# Altium PCB BW1098OAK.PcbDoc (part 2 of 3)
Units mm, origin at the board's own origin, x right, y up, seen from the top; angles counter-clockwise.
Board outline 100 x 46 mm, 4 copper layers (Top Copper, Signal Layer 1, Layer 1, Bottom Layer), stack 1.602 mm thick; 158 components, 124 nets, 594 pads, 384 vias.
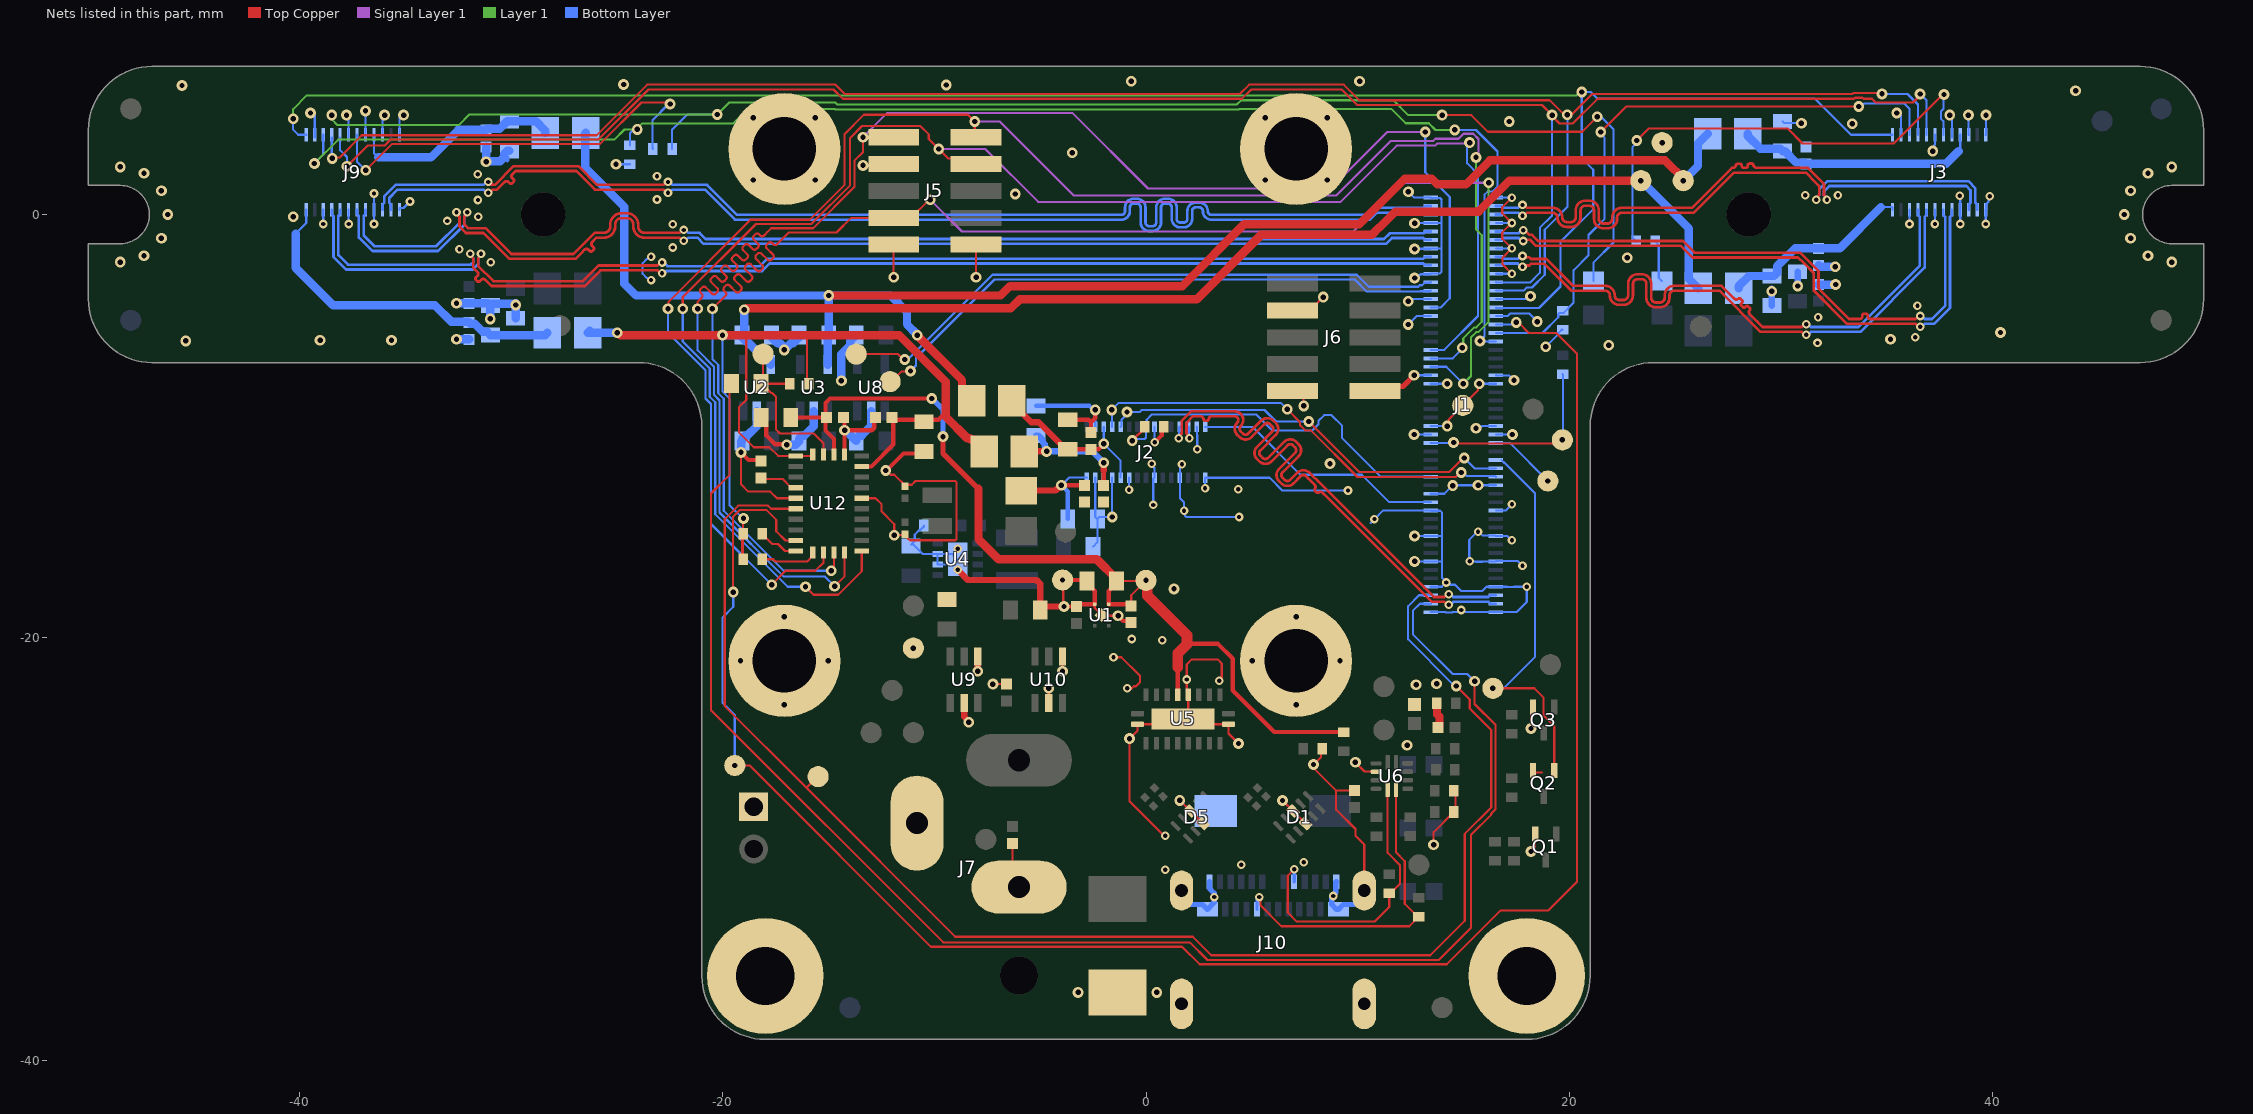
[diagram p4: the nets of this part, all layers, seen from the top]

## Via types
v1: diameter 0.508, hole 0.254, Top Copper to Bottom Layer, tented both sides, 235 vias
v2: diameter 0.406, hole 0.203, Top Copper to Bottom Layer, tented both sides, 131 vias
v3: diameter 0.508, hole 0.254, Top Copper to Bottom Layer, 16 vias
v4: diameter 0.406, hole 0.203, Top Copper to Bottom Layer, 2 vias

## Nets (pads, with @x,y where several pads share a name; then routed paths per layer and width w, separated by ;. In a path a pad name is that pad's centre, name@x,y a point inside that pad or via, vN(x,y) a via of type N, cw(c..) or ccw(c..) an arc to the next point about the centre after c; other vN are vias at no path point) (continued)
1V05_IMX378: C1.2 C2.2 FB3.2 J2.15 | length 6.2
  Top Copper w0.203: v1(-4,-12.8) C1.2@-2.9,-12.8
  Top Copper w0.3: FB3.2@-5.9,-13.05 -4.28,-13.05 -4.03,-12.8 v1(-4,-12.8)
  Bottom Layer w0.102: v1(-4,-12.8) -3.638,-12.438 J2.15@-2.8,-12.438
  Bottom Layer w0.203: v1@-3.938,-12.862 -3.7,-13.1 C2.2@-3.7,-14.4
  Bottom Layer w0.254: v1(-4,-12.8) v1@-3.876,-12.8
1V8: C18.2 C43.2 C44.2 FB2.1 FB5.1 FB8.1 R5.1 R6.1 R35.2 TP11.1 U2.5 U12.5 U12.6 U12.28 | length 107
  Top Copper w0.102: v1@-20.022,-5.718 v1(-20.022,-5.7) ; R5.1@-19.1,-15.1 -19.1,-16.3 -19.049,-16.249 -19.049,-14.388 v1(-19.029,-14.368) ; -19.05,-5.7 -18.9,-5.85 -18.9,-8.767 -19.25,-9.117 -19.25,-10.3 -18.55,-11 -17.807,-11 -17.395,-11.412 U12.6@-16.562,-11.412 -15.812,-11.412 U12.5@-15.75,-11.35 ; -16.134,-5.7 -16.03,-5.803 -16.03,-7.87 R35.2@-15.9,-8
  Top Copper w0.2: U12.28@-13.437,-11.912 -12.986,-11.912 -11.95,-10.876 -11.95,-9.6 -11.85,-9.7 -10.5,-9.7 -9.81,-9.7 -9.57,-9.46 -9.464,-9.354
  Top Copper w0.4: v1(-25.003,-5.595) -24.974,-5.595 -24.851,-5.718 v1@-20.022,-5.718 ; v1(-20.022,-5.7) -19.05,-5.7 -18.9,-5.7 -16.134,-5.7 -11.677,-5.7 -9.464,-7.913 -9.464,-9.354 -9.464,-9.566 -8.453,-10.577 -8.334,-10.577 -8.261,-10.65 -8.1,-10.65 -7.65,-11.1 FB2.1@-7.65,-11.2 ; v1(-19,-4.5) -18.971,-4.5 -18.906,-4.435 -6.398,-4.435 -5.972,-4.01 2.397,-4.01 5.452,-0.954 10.678,-0.954 11.04,-0.592 11.061,-0.592 11.792,0.138 15.724,0.138 17.186,1.6 v1(23.4,1.6)
  Bottom Layer w0.102: v1@-20.022,-5.729 -20.022,-8.362 -19.7,-8.684 -19.7,-13.737 -19.069,-14.368 v1(-19.029,-14.368)
  Bottom Layer w0.4: FB8.1@-26.296,-5.487 FB8.1@-26.404,-5.595 v1(-25.003,-5.595) ; v1(-20.022,-5.7) C18.2@-19.1,-5.7 ; v1(-19,-4.5) -19,-5.6 C18.2@-19.1,-5.7 ; U2.5@-17.75,-7.1 -17.75,-6.85 -17.823,-6.777 -18.073,-6.777 -18.827,-6.023 -18.877,-6.023 -19.1,-5.8 C18.2@-19.1,-5.7 ; v1(23.4,1.6) 25.666,-0.666 25.666,-3.042 FB5.1@26.116,-3.492
1V8_IMX378: C3.2 C4.2 FB2.2 J2.13 | length 6.8
  Top Copper w0.203: C3.2@-2,-12.8 -2,-12.1
  Top Copper w0.3: FB2.2@-5.75,-11.2 v1(-4.7,-11.2) ; -2,-12.1 v1(-2,-11.738)
  Bottom Layer w0.102: J2.13@-2,-12.438 v1(-2,-11.738)
  Bottom Layer w0.3: C4.2@-5.195,-10.448 -5.095,-10.448 -4.895,-10.648 -4.895,-10.748 -4.787,-10.856 -4.787,-10.966 -4.74,-11.013 -4.74,-11.16 v1(-4.7,-11.2) -2.538,-11.2 v1(-2,-11.738)
1V8_L: C9.2 C10.2 FB5.2 J3.1 | length 9.2
  Bottom Layer w0.102: 34.752,0.352 35.276,0.352 35.3,0.327 J3.1@35.3,0.225
  Bottom Layer w0.4: FB5.2@28.016,-3.492 28.016,-3.392 28.501,-2.907 29.691,-2.907 29.841,-2.757 29.841,-2.449 30.69,-1.6 C9.2@31.8,-1.6 32.8,-1.6 34.752,0.352
1V8_R: C25.2 C26.2 FB8.2 J9.1 | length 16.2
  Bottom Layer w0.102: -40.208,-0.908 -39.7,-0.4 J9.1@-39.7,0.225
  Bottom Layer w0.4: -40.208,-0.908 -40.208,-2.517 -38.425,-4.3 -33.616,-4.3 -32.85,-5.066 -32.034,-5.066 -31.94,-5.16 -31.742,-5.16 -31.352,-5.55 -31.15,-5.55 C26.2@-31,-5.7 -28.409,-5.7 FB8.2@-28.304,-5.595
2V8: C20.2 FB1.1 FB4.1 FB7.1 TP12.1 U3.5 | length 77.1
  Top Copper w0.4: v1(-15,-3.829) -6.875,-3.829 -6.426,-3.38 1.718,-3.38 4.645,-0.453 10.087,-0.453 12.239,1.699 13.503,1.699 13.775,1.428 15.128,1.428 16.262,2.562 24.538,2.562 25.5,1.6 v1(25.4,1.6) ; v1(-10.813,-5.714) -8.7,-7.827 -8.7,-8.35 FB1.1@-8.25,-8.8
  Bottom Layer w0.4: FB7.1@-26.499,3.857 -26.517,3.839 -26.517,2.209 -24.663,0.356 -24.663,-3.277 -24.111,-3.829 v1(-15,-3.829) ; U3.5@-15.05,-7.1 -15.05,-5.75 C20.2@-15,-5.7 v1(-15,-3.829) ; v1(-10.813,-5.714) -10.813,-5.685 -11.3,-5.198 -11.3,-4.6 -12.071,-3.829 v1(-15,-3.829) ; v1(25.4,1.6) 26.099,2.299 26.099,3.365 FB4.1@26.549,3.815
2V8_IMX378: C5.2 C6.2 FB1.2 J2.11 J2.18 | length 8.1
  Top Copper w0.203: C6.2@-3.8,-11.1 C6.2@-3.7,-11.1 ; C6.2@-3.6,-11.1 C5.2@-2.6,-11.1 -2.246,-11.1 v1@-1.992,-10.846
  Top Copper w0.3: FB1.2@-6.35,-8.8 -6.35,-8.9 -5.429,-9.821 -5.079,-9.821 C6.2@-3.8,-11.1
  Bottom Layer w0.102: J2.18@-2,-10.038 v1(-2,-10.838) -1.2,-11.638 J2.11@-1.2,-12.438
2V8_L: C11.2 C12.2 FB4.2 J3.16 | length 11.7
  Bottom Layer w0.102: 38.426,3 38.5,3.074 J3.16@38.5,3.775
  Bottom Layer w0.4: FB4.2@28.449,3.815 28.449,3.715 29.049,3.115 29.981,3.115 C12.2@30.099,2.997 30.199,2.997 30.736,2.46 31.14,2.46 C11.2@31.2,2.4 37.826,2.4 38.426,3
2V8_R: C27.2 C28.2 FB7.2 J9.16 | length 10.1
  Bottom Layer w0.102: J9.16@-36.5,3.775 -36.5,2.9 -36.3,2.7
  Bottom Layer w0.4: -36.3,2.7 -33.811,2.7 -32.511,4 C27.2@-31.2,4 -31.14,4.06 -30.546,4.06 -30.199,4.407 -28.849,4.407 -28.399,3.957 FB7.2@-28.399,3.857
3V3: C15.2 C35.2 C42.2 C45.2 R13.2 TP9.1 U1.1 U5.6 U12.3 | length 45.8
  Top Copper w0.102: C15.2@-1.395,-17.335 TP9.1@-0.035,-17.335 ; C35.2@-0.7,-18.5 -0.7,-18.425 -0.7,-18 TP9.1@-0.035,-17.335 ; v1(0,-17.3) TP9.1@-0.035,-17.335
  Top Copper w0.2: C42.2@-16.7,-9.6 C45.2@-15.15,-9.6 ; U12.3@-14.75,-11.35 -14.75,-10.61 -15.15,-10.21 C45.2@-15.15,-9.6 ; v1(-10.126,-8.698) -14.934,-8.698 -15.15,-8.913 C45.2@-15.15,-9.6
  Top Copper w0.203: C15.2@-1.395,-17.335 -1.395,-17.435 -1.682,-17.721 -1.691,-17.721 -1.765,-17.796 U1.1@-1.765,-18.425 -0.775,-18.425 C35.2@-0.7,-18.5 ; U5.6@1.5,-22.7 1.5,-21.4 ; 1.938,-20.3 3.4,-20.3 4.098,-20.998 4.098,-22.499 6.067,-24.468 R13.2@9.343,-24.468
  Top Copper w0.254: v1(-9.6,-10.5) -9.6,-11.29 -7.92,-12.97
  Top Copper w0.4: -7.92,-12.97 -7.92,-15.353 -6.973,-16.3 -2.33,-16.3 -1.395,-17.235 C15.2@-1.395,-17.335
  Top Copper w0.508: v1(0,-17.3) 0.057,-17.357 0.057,-18.011 1.938,-19.892 1.938,-20.313 1.5,-20.752 1.5,-21.4
  Bottom Layer w0.254: v1(-10.126,-8.698) -9.6,-9.223 v1(-9.6,-10.5)
2485_PGOOD: J1.37 Q2.1 TP1.1 | length 18.8
  Top Copper w0.102: v1(16.4,-22.4) 18.358,-22.4 18.799,-22.841 18.799,-23.689 19.3,-24.19 Q2.1@19.3,-26.29
  Bottom Layer w0.102: v1(16.4,-22.4) 16.916,-22.4 18.4,-20.916 18.4,-13.189 16.958,-11.746 16.947,-11.746 J1.37@16.8,-11.6
2485_WAKEUP: J1.41 TP3.1 | length 3.2
  Bottom Layer w0.102: J1.41@16.54,-10.8 17.199,-10.8 17.219,-10.819 ; 17.22,-10.819 v1(19,-12.6)
BNO08x_BOOTN_1V8: J1.4 R36.2 | length 75.7
  Top Copper w0.102: R36.2@-19.7,-8 -19.7,-12.327 -20.565,-13.192 -20.565,-23.436 -9.588,-34.412 2.076,-34.412 2.909,-35.246 13.849,-35.246 15.362,-33.733 15.362,-29.333 16.321,-28.373 16.321,-28.318 16.523,-28.116 16.523,-24.131 15.535,-23.143 v1(15.535,-22.072)
  Bottom Layer w0.102: J1.4@13.46,-18.4 12.956,-18.4 12.619,-18.737 12.619,-19.842 14.501,-21.724 15.187,-21.724 v1(15.535,-22.072)
BNO08x_BOOTN_1V8_1: R35.1 R36.1 TP26.1 U12.4 | length 7.9
  Top Copper w0.102: R36.1@-18.1,-8.05 -17.713,-8.437 -17.663,-8.437 -17.5,-8.6 -17.5,-10.155 -17.305,-10.35 -15.713,-10.35 -15.25,-10.813 U12.4@-15.25,-11.35 ; TP26.1@-18.1,-6.7 -18.1,-8 R35.1@-16.9,-8
BNO08x_CIPO_1V8: J1.64 J5.4 U12.20 | length 78.8
  Top Copper w0.102: v1@-21.9,-4.56 v1@-21.889,-4.56 ; v1(-21.9,-4.46) -21.9,-3.903 -18.443,-0.446 -15.82,-0.446 -13.988,1.386 -13.988,3.619 -13.424,4.184 -10.67,4.184 -10.274,3.788 -10.274,3.574 v1(-9.8,3.1) -9.348,2.648 -8.297,2.648 J5.4@-8.032,2.383 ; v1(-16.1,-17.6) -15.72,-17.98 -14.555,-17.98 -13.437,-16.862 U12.20@-13.437,-15.912
  Signal Layer 1 w0.102: v1(-9.8,3.1) -7.6,3.1 -5.1,0.6 9.2,0.6 11.855,3.255 13.677,3.255 13.777,3.356 15.255,3.356 v1(15.3,3.4)
  Bottom Layer w0.102: v1@-21.9,-4.56 -21.9,-6.004 -20.627,-7.277 -20.627,-8.612 -20.367,-8.873 -20.367,-14.173 -16.94,-17.6 v1(-16.1,-17.6) ; J1.64@13.46,-6.4 14.1,-6.4 15.7,-4.8 15.7,1.9 15.182,2.418 15.182,3.179 15.3,3.297 v1(15.3,3.4)
BNO08x_COPI_1V8: J1.62 J5.2 U12.17 | length 77.9
  Top Copper w0.102: v1(-22.6,-4.46) -22.571,-4.431 -22.571,-4.118 -18.697,-0.245 -15.904,-0.245 -14.25,1.409 -14.25,3.804 -13.339,4.714 -8.414,4.714 v1(-8.1,4.4) -8.1,3.721 J5.2@-8.032,3.653 ; v1(-17.7,-17.5) -17.044,-16.844 -15.635,-16.844 -15.25,-16.459 U12.17@-15.25,-15.975
  Signal Layer 1 w0.102: v1(-8.1,4.4) -6.92,4.4 -3.42,0.9 9,0.9 11.582,3.482 13.582,3.482 13.682,3.582 14.773,3.582 15.008,3.818 15.473,3.818 15.717,3.573 15.717,2.921 15.6,2.803 v1(15.6,2.7)
  Layer 1 w0.102: v1(14.951,-6.3) 15.002,-6.249 15.002,-5.856 15.522,-5.335 15.615,-5.335 15.875,-5.075 15.875,-0.978 15.6,-0.703 v1(15.6,2.7)
  Bottom Layer w0.102: v1@-22.6,-4.56 -22.6,-5.589 -20.829,-7.361 -20.829,-8.696 -20.568,-8.956 -20.568,-14.632 v1(-17.7,-17.5) ; J1.62@13.46,-6.8 14.5,-6.8 14.951,-6.349 v1(14.951,-6.3) ; v1@15.572,2.673 v1(15.6,2.7)
BNO08x_CS_1V8: J1.60 J5.7 U12.18 | length 74.2
  Top Copper w0.102: v1(-20.5,-4.46) -19.919,-3.88 -19.883,-3.844 ccw(c-19.971,-3.756) -19.883,-3.668 -19.941,-3.61 cw(c-19.853,-3.522) -19.941,-3.434 -19.865,-3.359 cw(c-19.777,-3.447) -19.689,-3.359 -19.398,-3.65 ccw(c-19.31,-3.562) -19.222,-3.65 -19.147,-3.574 ccw(c-19.235,-3.486) -19.147,-3.398 -19.438,-3.107 cw(c-19.35,-3.019) -19.438,-2.931 -19.362,-2.856 cw(c-19.274,-2.944) -19.186,-2.856 -18.895,-3.147 ccw(c-18.807,-3.059) -18.719,-3.147 -18.644,-3.071 ccw(c-18.732,-2.983) -18.644,-2.895 -18.935,-2.604 cw(c-18.847,-2.516) -18.935,-2.428 -18.86,-2.353 cw(c-18.772,-2.441) -18.684,-2.353 -18.393,-2.644 ccw(c-18.305,-2.556) -18.217,-2.644 -18.141,-2.568 ccw(c-18.229,-2.48) -18.141,-2.392 -18.432,-2.102 cw(c-18.344,-2.014) -18.432,-1.926 -18.357,-1.85 cw(c-18.269,-1.938) -18.181,-1.85 -17.89,-2.141 ccw(c-17.802,-2.053) -17.714,-2.141 -17.638,-2.066 ccw(c-17.726,-1.978) -17.638,-1.89 -17.929,-1.599 cw(c-17.841,-1.511) -17.929,-1.423 -17.854,-1.347 cw(c-17.766,-1.435) -17.678,-1.347 -17.62,-1.405 ccw(c-17.532,-1.317) -17.444,-1.405 -17.198,-1.158 -16.889,-0.85 -14.633,-0.85 -13.94,-0.157 J5.7@-11.932,-0.157 -11.112,-0.157 -10.255,0.7 v1(-10.2,0.7) ; v1(-14.882,-16.844) -14.75,-16.712 U12.18@-14.75,-15.975
  Signal Layer 1 w0.102: v1(-10.2,0.7) -8.7,-0.8 9.8,-0.8 12.1,1.5 v1(16.2,1.5)
  Layer 1 w0.102: v1(15,-8) 15.368,-7.632 15.368,-5.81 15.617,-5.562 15.709,-5.562 16.2,-5.071 16.2,1.402 16.102,1.5 v1(16.2,1.5)
  Bottom Layer w0.102: v1@-20.5,-4.56 -20.5,-6.834 -20.224,-7.11 -20.224,-8.445 -19.963,-8.706 -19.963,-14.006 -17.125,-16.844 v1(-14.882,-16.844) ; J1.60@13.46,-7.2 14.2,-7.2 v1(15,-8)
BNO08x_INT_1V8: J1.69 TP25.1 U12.14 | length 91
  Top Copper w0.102: v1(-19.514,-17.851) -19.526,-17.839 -19.526,-14.292 -19.197,-13.963 -17.952,-13.963 -17.48,-14.435 -17.48,-14.975 -17.042,-15.412 U12.14@-16.562,-15.412 ; v1(-19.442,-26.05) -18.739,-26.05 -10.171,-34.619 1.705,-34.619 2.537,-35.45 14.216,-35.45 16.766,-32.9 19.034,-32.9 20.372,-31.561 20.372,-6.573 19.403,-5.604 18.898,-5.604 18.894,-5.6 18.095,-5.6 17.595,-5.1 v1(17.5,-5.1)
  Bottom Layer w0.102: v1(-19.514,-17.851) -19.514,-18.552 -20.022,-19.06 -20.022,-23.08 -19.442,-23.66 v1(-19.442,-26.05) ; J1.69@16.54,-5.2 17.42,-5.2 17.5,-5.12 v1(17.5,-5.1)
BNO08x_RSTn_1V8: J1.6 TP19.1 U12.11 | length 72.2
  Top Copper w0.102: U12.11@-16.562,-13.912 -17.717,-13.912 -17.869,-13.761 -19.28,-13.761 -19.919,-14.4 -19.919,-23.245 -16.055,-27.109 ; TP19.1@-15.5,-26.578 -15.524,-26.578 -16.055,-27.109 ; v1(14.674,-22.292) 15.308,-22.926 15.308,-23.354 16.321,-24.368 16.321,-28.033 15.073,-29.281 15.073,-33.388 13.443,-35.019 3.081,-35.019 2.21,-34.147 -9.017,-34.147 -16.055,-27.109
  Bottom Layer w0.102: J1.6@13.46,-18 12.909,-18 12.392,-18.517 12.392,-20.088 14.483,-22.18 14.485,-22.18 14.598,-22.292 v1(14.674,-22.292)
BNO08x_SCK_1V8: J1.74 J5.1 U12.19 | length 76.6
  Top Copper w0.102: v1(-21.2,-4.46) -21.2,-4.13 -21.037,-3.967 -21.001,-3.931 ccw(c-21.089,-3.843) -21.001,-3.755 -21.059,-3.698 cw(c-20.971,-3.61) -21.059,-3.522 -20.983,-3.446 cw(c-20.895,-3.534) -20.807,-3.446 -20.516,-3.737 ccw(c-20.428,-3.649) -20.34,-3.737 -20.265,-3.662 ccw(c-20.353,-3.574) -20.265,-3.486 -20.556,-3.195 cw(c-20.468,-3.107) -20.556,-3.019 -20.48,-2.943 cw(c-20.392,-3.031) -20.304,-2.943 -20.108,-3.14 ccw(c-20.02,-3.052) -19.932,-3.14 -19.856,-3.065 ccw(c-19.944,-2.977) -19.856,-2.889 -20.053,-2.692 cw(c-19.965,-2.604) -20.053,-2.516 ; -20.053,-2.516 -19.977,-2.44 cw(c-19.889,-2.528) -19.801,-2.44 -19.605,-2.637 ccw(c-19.517,-2.549) -19.429,-2.637 -19.353,-2.562 ccw(c-19.441,-2.474) -19.353,-2.386 -19.55,-2.189 cw(c-19.462,-2.101) -19.55,-2.013 -19.475,-1.938 cw(c-19.387,-2.026) -19.299,-1.938 -19.102,-2.134 ccw(c-19.014,-2.046) -18.926,-2.134 -18.85,-2.059 ccw(c-18.938,-1.971) -18.85,-1.883 -19.047,-1.686 cw(c-18.959,-1.598) -19.047,-1.51 -18.972,-1.435 cw(c-18.884,-1.523) -18.796,-1.435 -18.599,-1.631 ccw(c-18.511,-1.543) -18.423,-1.631 -18.348,-1.556 ccw(c-18.436,-1.468) -18.348,-1.38 -18.544,-1.183 cw(c-18.456,-1.095) -18.544,-1.007 -18.469,-0.932 cw(c-18.381,-1.02) -18.293,-0.932 -18.235,-0.989 ccw(c-18.147,-0.901) -18.059,-0.989 -17.911,-0.841 -17.718,-0.648 -15.737,-0.648 -13.787,1.302 -13.787,2.542 -13.382,2.946 v1(-13.382,3.653) J5.1@-11.932,3.653 ; v1(-14.723,-17.575) -14.25,-17.102 U12.19@-14.25,-15.975
  Signal Layer 1 w0.102: v1(-13.382,3.653) -12.23,4.805 -3.481,4.805 0.096,1.228 8.735,1.228 11.407,3.9 v1(13.2,3.9)
  Bottom Layer w0.102: v1@-21.2,-4.56 -21.2,-6.419 -20.425,-7.194 -20.425,-8.529 -20.165,-8.789 -20.165,-14.089 -17.134,-17.12 -15.178,-17.12 v1(-14.723,-17.575) ; v1(13.2,3.9) 13.2,1.993 14.364,0.828 14.364,-3.96 13.924,-4.4 J1.74@13.46,-4.4
CAM_A_CLK_OUT: J1.28 J2.30 | length 12.1
  Bottom Layer w0.102: J2.30@2.8,-10.038 5.038,-10.038 7.3,-12.3 10.2,-12.3 11.5,-13.6 J1.28@13.46,-13.6
CAM_A_PWDN_N: J1.34 J2.23 R1.1 | length 18.3
  Top Copper w0.127: v1(-0.652,-10.69) -0.05,-10.088 R1.1@-0.05,-10.038
  Bottom Layer w0.102: v1(-0.652,-10.69) -0.579,-10.617 -0.07,-10.617 0.004,-10.543 0.004,-10.042 J2.23@0,-10.038 0.036,-10.002 0.036,-9.699 0.286,-9.449 5.203,-9.449 5.959,-10.205 7.872,-10.205 8.149,-9.928 8.149,-9.76 8.427,-9.483 8.773,-9.483 9.273,-9.983 9.273,-10.573 11.1,-12.4 J1.34@13.46,-12.4
CAM_B_CLK_OUT: J1.73 J3.24 J9.24 | length 92.3
  Layer 1 w0.102: v1(-40.324,4.523) -40.324,4.983 -39.674,5.633 20.342,5.633 20.504,5.795 v1(20.605,5.795) 20.605,5.7 v1@20.803,5.7
  Bottom Layer w0.102: v1(-40.324,4.523) -40.324,4.015 -40.084,3.775 J9.24@-39.7,3.775 ; J1.73@16.54,-4.4 16.558,-4.417 18.583,-4.417 19.6,-3.4 19.6,-1.295 21.146,0.251 21.146,2.124 20.605,2.666 v1(20.605,5.795) 21.031,5.795 21.34,5.486 31.623,5.486 33.334,3.775 J3.24@35.3,3.775
CAM_B_D_PWM: J1.65 J9.22 R9.1 | length 70.6
  Layer 1 w0.102: v1(-39.318,2.411) -38.189,3.54 -25.139,3.54 -24.655,4.024 v1(-24.055,4.024) -24.055,4.072 -23.817,4.31 -19.509,4.31 -18.834,4.985 -14.706,4.985 -14.693,4.971 4.393,4.971 4.406,4.985 11.615,4.985 12.283,4.317 13.373,4.317 13.69,4 v1(14.6,4)
  Bottom Layer w0.102: v1(-39.318,2.411) -38.9,2.828 J9.22@-38.9,3.775 ; R9.1@-24.4,3.274 -24.4,3.846 -24.295,3.951 -24.128,3.951 v1(-24.055,4.024) ; v1(14.6,4) 15.6,4 16.618,2.983 16.618,1.318 16.382,1.082 16.151,1.082 16,0.931 16,-5.769 v1(15.789,-5.98) 15.81,-6 J1.65@16.54,-6
CAM_B_PWDN_N: J1.67 J3.22 R2.1 | length 29.6
  Top Copper w0.102: v1(21.5,3.9) 22.101,4.501 22.706,5.106 v1(33.7,5.106)
  Bottom Layer w0.102: J1.67@16.54,-5.6 18.75,-5.6 19.492,-4.858 19.492,-4.712 19.554,-4.65 19.7,-4.65 19.75,-4.65 19.961,-4.439 19.961,-4.42 20.22,-4.161 20.22,-2.631 20.923,-1.928 20.923,-0.966 21.683,-0.206 21.683,3.635 21.5,3.818 v1(21.5,3.9) ; v1(33.7,5.106) 33.81,5.106 33.952,5.248 35.852,5.248 36.1,5 J3.22@36.1,3.775
CAP: C46.1 U12.9 | length 1.8
  Top Copper w0.102: C46.1@-18.2,-12.5 -17.187,-12.5 -16.775,-12.912 U12.9@-16.562,-12.912
CC1: J10.A5 R18.2 U6.1 | length 14.1
  Top Copper w0.102: v2(7.005,-30.951) 6.7,-31.256 6.7,-33 7.132,-33.432 10.807,-33.432 11.5,-32.74 R18.2@11.5,-32.1 11.55,-32.1 12.009,-31.64 12.009,-30.767 11.425,-30.182 U6.1@11.425,-27.2
  Bottom Layer w0.158: J10.A5@7,-31.55 7.002,-31.548 7.002,-30.954 v2(7.005,-30.951)
CC2: J10.B5 R19.2 U6.2 | length 15.6
  Top Copper w0.102: v2(5.354,-32.272) 5.412,-32.331 5.412,-32.483 5.413,-32.484 5.413,-32.662 6.402,-33.651 12.449,-33.651 R19.2@12.9,-33.2 12.85,-33.2 12.236,-32.586 12.236,-30.577 11.825,-30.166 U6.2@11.825,-27.2
  Bottom Layer w0.152: J10.B5@5.25,-32.85 J10.B5@5.25,-32.85 5.251,-32.273 v2@5.252,-32.272
COM_AUX_IO2: J1.42 R4.1 TP4.1 | length 9.4
  Top Copper w0.102: v1(14.543,-10.778) 14.584,-10.819 19.524,-10.819 v1(19.687,-10.657)
  Bottom Layer w0.102: J1.42@13.46,-10.8 14.521,-10.8 v1(14.543,-10.778) ; v1(19.687,-10.657) 19.709,-10.635 19.709,-7.559 R4.1@19.7,-7.55
ENV_SCL: R5.2 U12.15 | length 1.9
  Top Copper w0.102: R5.2@-18.1,-15.1 -18.1,-15.15 -17.669,-15.581 -17.402,-15.581 -17.071,-15.912 U12.15@-16.562,-15.912
ENV_SDA: R6.2 U12.16 | length 2.7
  Top Copper w0.102: R6.2@-18.1,-16.2 -18,-16.3 -17.625,-16.3 -17.518,-16.407 -16.02,-16.407 -15.75,-16.137 U12.16@-15.75,-15.975
FSIN1: R3.2 R24.2 | length 2
  Bottom Layer w0.102: R3.2@24.072,-1.27 24.246,-1.444 24.246,-2.996 R24.2@24.4,-3.15
FSIN1_IN: J3.18 R3.1 | length 22.9
  Top Copper w0.102: v1(23.2,3.5) 23.764,4.064 30.335,4.064 31.041,3.357 35.357,3.357 37.672,5.672 v1(37.728,5.672)
  Bottom Layer w0.102: R3.1@23.172,-1.27 22.998,-1.096 22.998,1.068 22.995,1.071 22.995,3.185 23.2,3.39 v1(23.2,3.5) ; J3.18@37.7,3.775 37.7,4.409 37.582,4.527 37.582,4.873 37.7,4.991 37.7,5.644 v1(37.728,5.672)
FSIN2: R10.2 R26.2 | length 73.6
  Top Copper w0.102: v1(14,4.7) 15.378,4.7 16.161,3.917 20.631,3.917 v1(21.341,4.626)
  Layer 1 w0.102: v1(-38.5,4.7) -38.5,4.5 -38.227,4.227 -32.494,4.227 -31.994,4.727 v1(-20.273,4.727) -19.7,5.3 -14.7,5.3 -14.598,5.198 4.299,5.198 4.5,5.4 11.7,5.4 12.4,4.7 v1(14,4.7)
  Bottom Layer w0.102: R10.2@-22.41,3.099 -22.41,4.005 -21.688,4.727 v1(-20.273,4.727) ; R26.2@21.15,-3.15 21.15,-2.275 22.105,-1.32 22.105,4.028 21.476,4.656 21.371,4.656 v1(21.341,4.626)
FSIN2_IN: J9.18 R10.1 | length 20.1
  Top Copper w0.102: v1(-36.886,2.087) -35.633,3.341 -25.808,3.341 -23.849,5.3 -22.574,5.3 v1(-22.5,5.226)
  Bottom Layer w0.102: J9.18@-37.3,3.775 -37.3,2.501 v1(-36.886,2.087) ; R10.1@-23.31,3.099 -23.328,3.117 -23.328,4.472 -22.574,5.226 v1(-22.5,5.226)
GND: B1.1 C1.1 C2.1 C3.1 C4.1 C5.1 C6.1 C7.1 C8.1 C9.1 C10.1 C11.1 C12.1 C13.1 C14.1 C15.1 C16.1 C17.1 C18.1 C19.1 C20.1 C21.1 C22.1 C23.1 C24.1 C25.1 C26.1 C27.1 C28.1 C29.1 C30.1 C35.1 C36.1 C37.1 C38.1 C39.1 C40.1 C42.1 C43.1 C44.1 C45.1 C46.2 C47.1 C48.1 D1.3 D1.8 D5.3 D5.8 D6.2 J1.1 J1.2 J1.7 J1.8 J1.13 J1.14 J1.19 J1.20 J1.25 J1.26 J1.30 J1.31 J1.43 J1.44 J1.45 J1.46 J1.55 J1.56 J1.57 J1.58 J1.71 J1.72 J1.75 J1.76 J1.81 J1.82 J1.87 J1.88 J1.93 J1.94 J1.99 J1.100 J2.1 J2.4 J2.7 J2.10 J2.12 J2.14 J2.17 J2.24 J2.29 J3.3 J3.6 J3.9 J3.12 J3.13 J3.15 J3.17 J3.19 J3.23 J5.3 J5.9 J5.10 J6.3 J6.9 J6.10 J7.2 J7.3 J8.P1 J9.3 J9.6 J9.9 J9.12 J9.13 J9.15 J9.17 J9.19 J9.23 J10.A1 J10.A12 J10.B1 J10.B12 J10.SH1 J10.SH2 J10.SH3 J10.SH4 MH1.1 MH2.1 MH3.1 MH4.1 MP7.1 MP8.1 Q1.2 Q2.2 Q3.2 R1.2 R2.2 R8.1 R9.2 R11.1 R12.2 R14.2 R16.2 TP14.1 TP15.1 TP16.1 TP17.1 U1.2 U1.5 U2.2 U3.2 U4.2 U4.3 U4.9 U5.5 U5.11 U5.20 U5.21 U6.10 U8.2 U9.2 U9.4 U10.2 U10.4 U12.2 U12.10 U12.25 | length 244.5
  Top Copper w0.102: v1(-39.5,4.8) v1@-39.5,4.9 ; v1(-19.15,-11.246) -19.15,-12.75 -18.8,-13.1 -17.762,-13.1 -17.45,-13.412 U12.10@-16.562,-13.412 ; U12.25@-13.437,-13.412 -12.787,-13.413 -12.5,-13.7 -12.5,-14.04 -11.9,-14.64 v1(-11.9,-15.16) ; v1(-13.382,2.324) -11.991,2.324 J5.3@-11.932,2.383 ; v1(-12.3,-12.1) v1@-12.286,-12.1 ; v1@-12.266,-12.1 v1@-12.286,-12.1 ; J5.9@-11.936,-1.424 J5.9@-11.932,-1.427 v1(-11.932,-2.961) ; C47.1@-11.4,-15.18 -11.254,-15.326 -11.234,-15.326 -11.16,-15.4 -9.014,-15.4 -8.954,-15.34 -8.954,-12.66 -9.014,-12.6 -10.9,-12.6 -11.074,-12.774 -11.394,-12.774 -11.4,-12.78 -11.546,-12.633 -11.566,-12.633 -11.9,-12.3 -12.086,-12.3 v1@-12.286,-12.1 ; v1(-8.382,-24.003) v1@-8.382,-23.958 ; J5.10@-8.036,-1.424 J5.10@-8.032,-1.427 v1(-8.032,-2.961) ; v1(-7.239,-22.2) C40.1@-6.6,-22.2 ; C30.1@-6.319,-29.74 -6.319,-31.624 J7.3@-6.072,-31.872 ; J7.3@-6.143,-31.943 J7.3@-6.072,-31.872 ; J7.3@-6,-31.8 J7.3@-6.072,-31.872 ; U10.2@-4.6,-23.1 v1@-4.6,-22.5 ; v1@-3.95,-21.5 U10.4@-3.95,-20.9 ; v1(-3.945,-17.28) -3.912,-17.313 -3.912,-18.502 v1(-3.878,-18.535) v1@-3.88,-18.535 ; U1.2@-2.425,-18.425 -2.425,-18.605 U1.5@-2.095,-18.935 -1.845,-18.935 -1.809,-18.971 v1(-1.318,-18.971) ; v2(-1.535,-20.934) -1.167,-20.934 -0.287,-21.814 -0.287,-22.114 -0.475,-22.302 -0.574,-22.302 -0.673,-22.401 v2(-0.885,-22.401) ; C35.1@-0.787,-19.213 C35.1@-0.7,-19.3 ; v2(0.911,-29.367) 0.852,-29.367 -0.778,-27.737 v1(-0.778,-24.778) -0.4,-24.4 U5.11@-0.4,-24.1 1.5,-24.1 U5.21@1.75,-23.85 ; v1(1.6,-27.7) D5.3@2.105,-28.205 D5.8@2.695,-28.795 ; v2@3.583,-21.895 3.583,-21.226 3.388,-21.03 2.17,-21.03 1.924,-21.276 v2(1.924,-21.982) 1.924,-22.389 1.939,-22.404 1.939,-22.638 U5.5@2,-22.7 2,-23.6 U5.21@1.75,-23.85 ; v1(4.374,-25.009) 3.9,-24.535 U5.20@3.9,-24.1 2,-24.1 U5.21@1.75,-23.85 ; v1(6.455,-27.705) D1.3@6.955,-28.205 D1.8@7.545,-28.795 ; J6.9@6.928,-8.347 7.137,-8.347 7.454,-8.663 v1(7.454,-9.048) ; J6.3@6.928,-4.537 7.748,-4.537 8.065,-4.22 8.065,-4.217 v1(8.379,-3.903) ; R12.2@8.324,-25.262 8.271,-25.315 8.271,-25.653 v1(7.919,-26.005) 7.972,-26.058 7.972,-26.22 8.99,-27.239 ; C36.1@9.851,-27.239 8.99,-27.239 ; v1(9.9,-25.9) 10.331,-26.331 10.856,-26.331 U6.10@10.875,-26.35 ; J10.SH1@10.32,-31.96 10.32,-29.786 9.907,-29.373 9.907,-29.056 8.99,-28.139 8.99,-27.239 ; v1@12.25,-25.062 12.283,-25.095 v1(12.344,-25.095) ; v1(13.598,-29.799) 13.598,-29.202 R14.2@14.55,-28.25 ; 13.869,-23.756 13.869,-23.731 ; v1(14.243,-10.002) 14.311,-9.935 14.311,-9.695 TP14.1@14.978,-9.027 15.695,-8.311 15.695,-8.06 v1(15.757,-7.998) ; R14.2@14.65,-28.35 14.635,-28.335 14.635,-27.265 R16.2@14.65,-27.25 ; v2(17.3,-2.8) 16.857,-2.357 16.857,-2.043 v2(17.3,-1.6) 16.843,-1.143 16.843,-0.843 17.286,-0.4 v2(17.3,-0.4) 16.843,0.057 16.843,0.343 v2(17.3,0.8) ; v1(18.2,-24.3) 18.2,-23.057 18.214,-23.043 18.3,-23.13 Q3.2@18.3,-23.29 ; v1(18.205,-30.116) 18.4,-29.921 Q1.2@18.4,-29.29 ; Q2.2@18.3,-26.29 18.3,-26.3 18.387,-26.387 18.714,-26.387 ; v1@-11.792,-15.16 -11.4,-15.16 -11.446,-15.16 v1@-11.792,-15.16